# Altium PCB betrusted_dvt1b-dfm.PcbDoc (part 2 of 6) (continued)
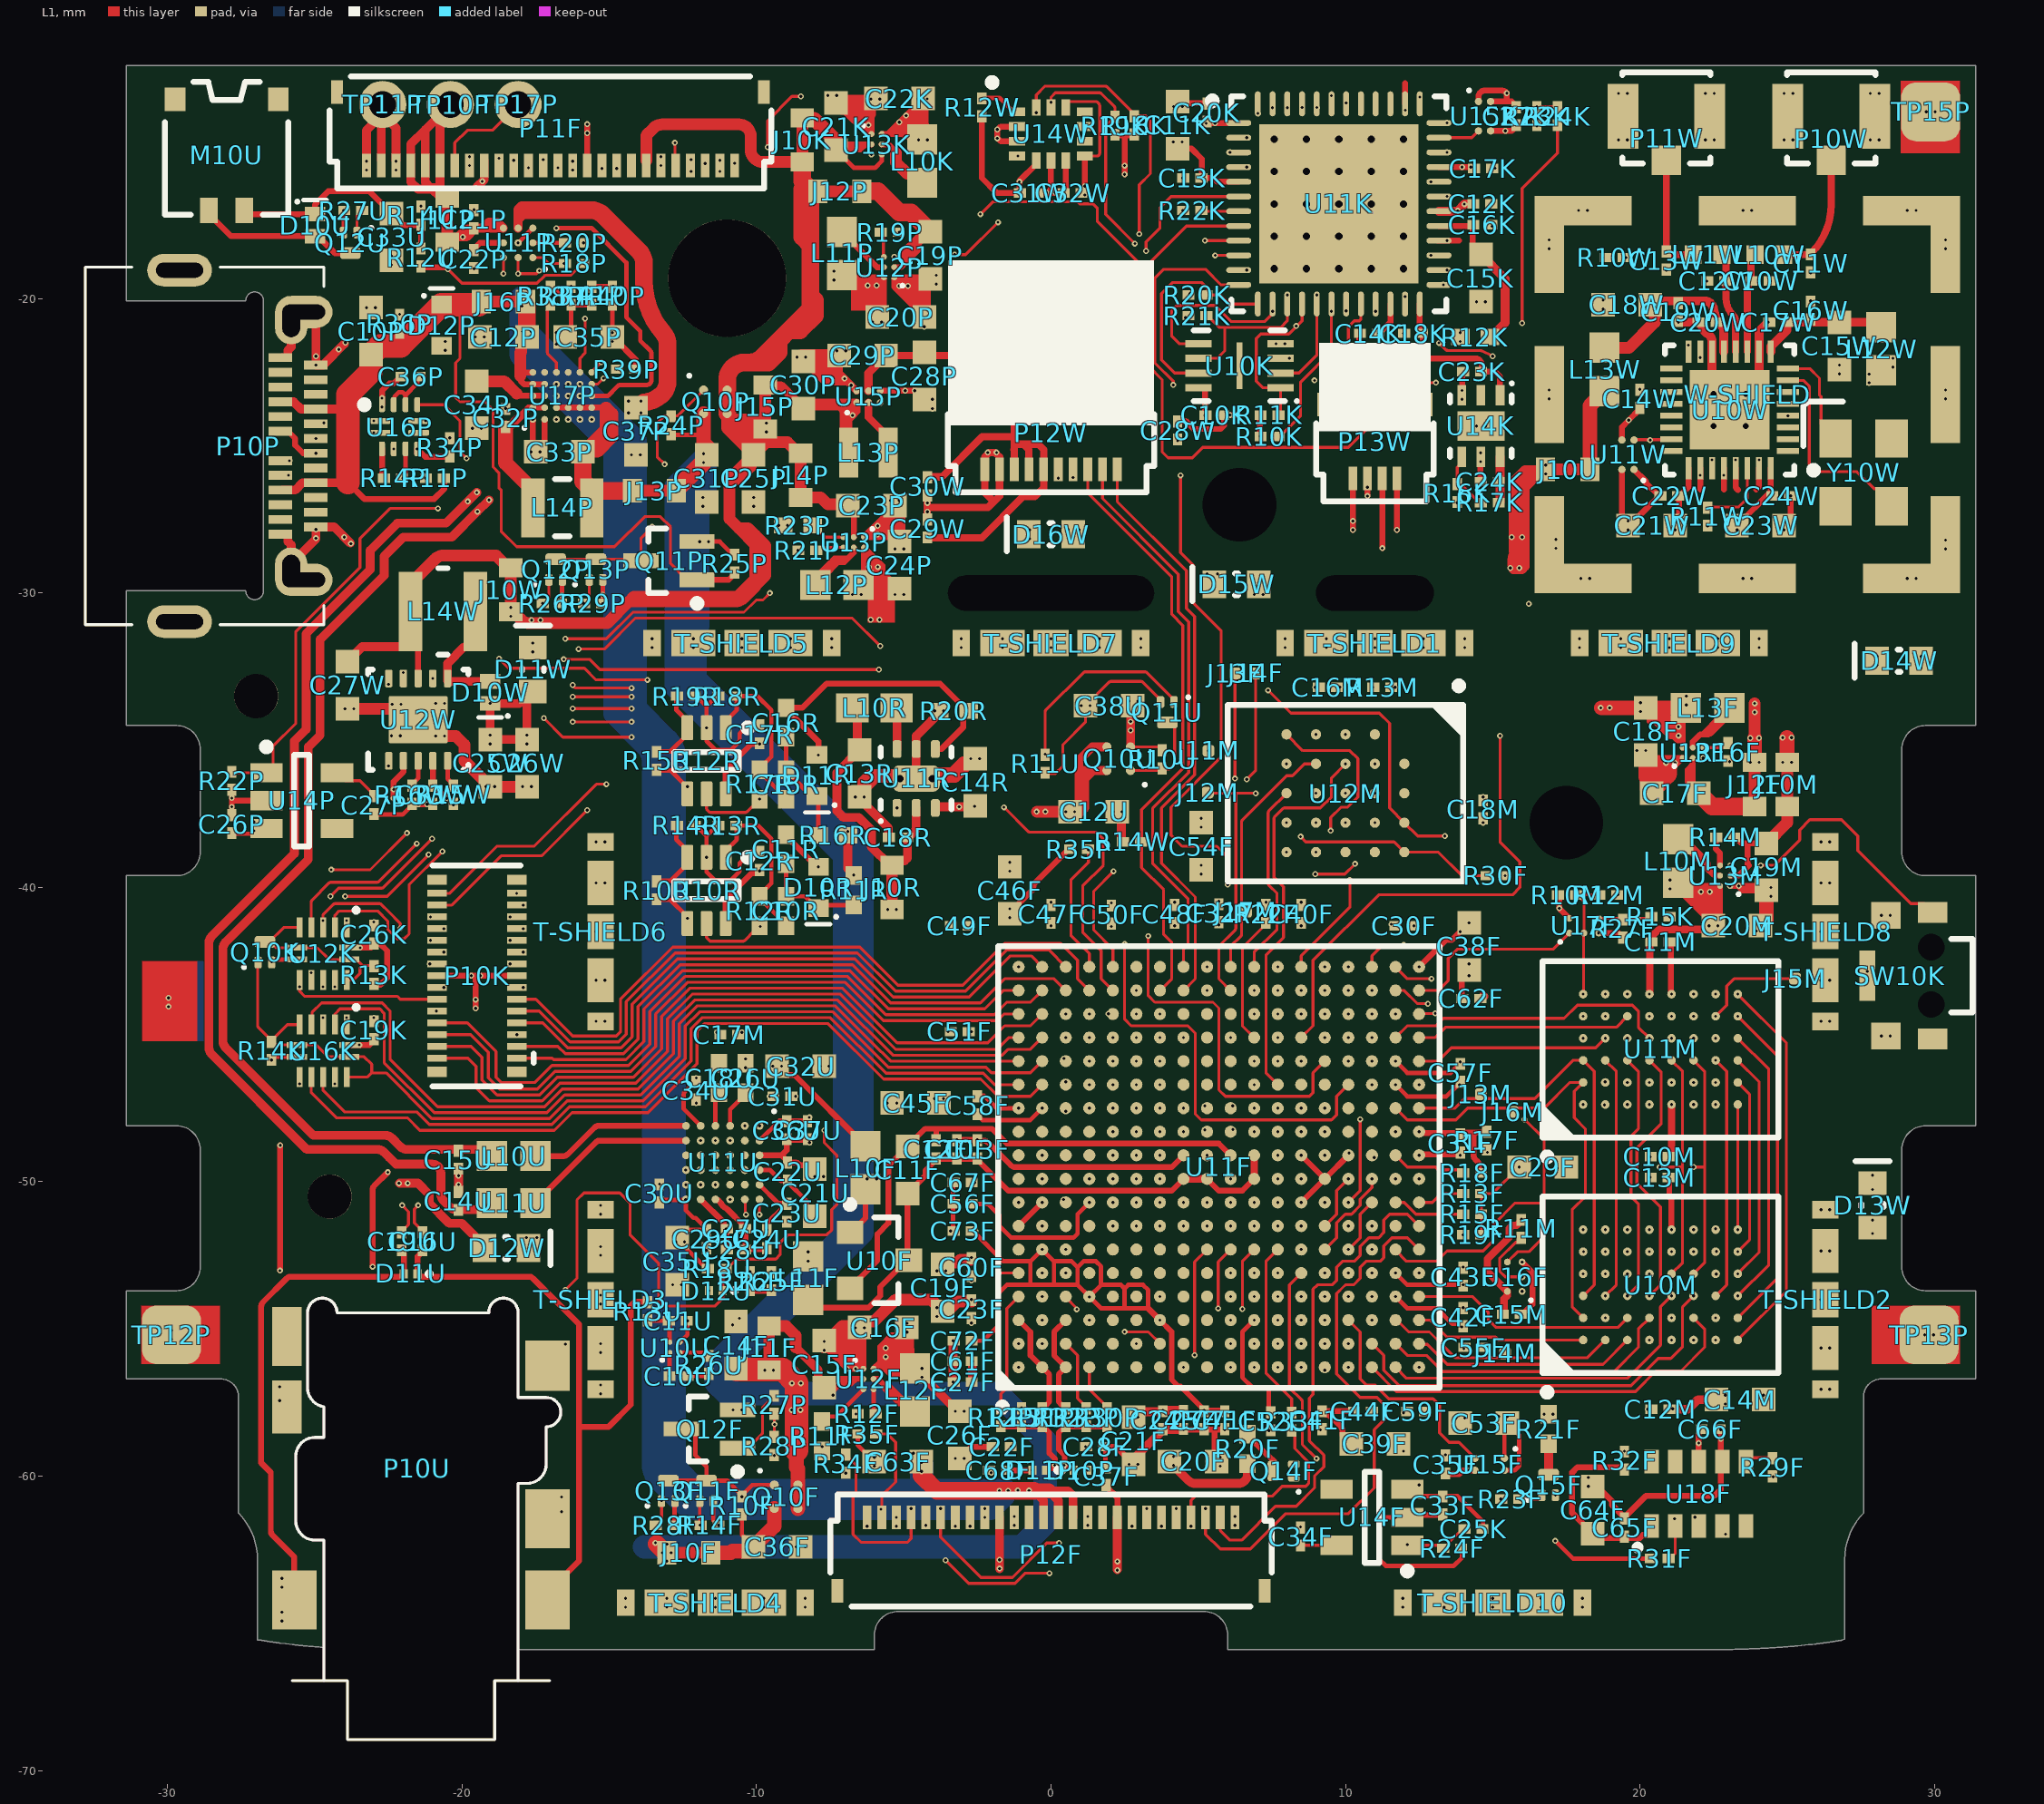
[diagram p0: L1 view]
## Part data (continued)

## Free pads (board coordinates)
  round 1.5 hole 1.5 unplated mask+0.4: 0(-27,-33.5) 0(-24.5,-50.5)
  round 4 hole 4 unplated mask+0.3: 0(-11,-19.3)
  oval 3.3x1 hole 1.2 slot 7 at 0 deg unplated mask+0.07: 0(0,-30)
  round 2 hole 2.5 unplated mask+0.3: 0(6.4,-27) 0(17.5,-37.8)
  oval 3.3x1 hole 1.2 slot 4 at 0 deg unplated mask+0.07: 0(11,-30)
  rect 2.489x0.051 on Bottom Overlay: 1(-16.861,-25.986) 1(-16.861,-25.935) 1(-16.861,-26.037) 1(-14.575,-23.649)
  rect 2.54x0.051 on Bottom Overlay: 1(-16.836,-26.291) 1(-16.836,-26.189) 1(-16.836,-26.139) 1(-16.836,-26.088) 1(-16.836,-25.885) 1(-16.836,-25.783) 1(-16.836,-25.732) 1(-16.836,-26.24) 1(-16.836,-25.834) 1(-16.836,-25.681) 1(-16.734,-25.478) 1(-12.416,-25.478) 1(-12.314,-26.24) 1(-12.314,-26.189) 1(-12.314,-26.139) 1(-12.314,-26.088) 1(-12.314,-26.037) 1(-12.314,-25.986) 1(-12.314,-25.935) 1(-12.314,-25.885) 1(-12.314,-25.834) 1(-12.314,-25.783) 1(-12.314,-25.732) 1(-12.314,-25.681)
  rect 2.591x0.051 on Bottom Overlay: 1(-16.81,-26.393) 1(-16.81,-26.342) 1(-16.81,-25.631) 1(-16.81,-25.58) 1(-16.81,-25.529) 1(-16.759,-26.443) 1(-12.391,-26.443) 1(-12.34,-26.342) 1(-12.34,-26.291) 1(-12.34,-25.58) 1(-12.34,-26.393) 1(-12.34,-25.631)
  rect 0.102x0.051 on Bottom Overlay: 1(-16.734,-23.192) 1(-15.667,-28.425) 1(-13.483,-28.425) 1(-12.416,-23.192)
  rect 0.254x0.051 on Bottom Overlay: 1(-16.709,-28.679) 1(-16.709,-23.243) 1(-15.693,-28.374) 1(-13.457,-28.374) 1(-12.441,-28.679) 1(-12.441,-23.243)
  rect 0.356x0.051 on Bottom Overlay: 1(-16.709,-28.628) 1(-16.709,-23.294) 1(-15.743,-28.323) 1(-13.407,-28.323) 1(-12.441,-23.294)
  rect 0.152x0.051 on Bottom Overlay: 1(-16.709,-28.729) 1(-12.441,-28.729)
  rect 0.457x0.051 on Bottom Overlay: 1(-16.709,-23.345)
  rect 0.508x0.051 on Bottom Overlay: 1(-16.683,-28.577) 1(-12.467,-28.577) 1(-12.467,-23.345)
  rect 0.61x0.051 on Bottom Overlay: 1(-16.683,-28.526) 1(-16.683,-23.395) 1(-12.467,-23.395)
  rect 0.711x0.051 on Bottom Overlay: 1(-16.683,-23.446)
  rect 0.864x0.051 on Bottom Overlay: 1(-16.658,-28.425) 1(-16.658,-23.497) 1(-14.575,-22.43) 1(-12.492,-28.425) 1(-12.492,-23.497)
  rect 0.965x0.051 on Bottom Overlay: 1(-16.658,-23.548) 1(-14.575,-22.583) 1(-14.575,-22.532) 1(-14.575,-22.481) 1(-12.492,-23.548)
  rect 0.762x0.051 on Bottom Overlay: 1(-16.658,-28.475) 1(-12.492,-28.475) 1(-12.492,-23.446)
  rect 1.016x0.051 on Bottom Overlay: 1(-16.632,-28.374) 1(-14.6,-22.633) 1(-12.518,-28.374)
  rect 2.337x0.051 on Bottom Overlay: 1(-16.632,-26.494) 1(-15.87,-24.97) 1(-12.518,-26.494)
  rect 1.219x0.051 on Bottom Overlay: 1(-16.632,-23.649) 1(-14.6,-23.192) 1(-12.518,-23.649)
  rect 1.118x0.051 on Bottom Overlay: 1(-16.632,-23.599) 1(-16.632,-28.323) 1(-14.6,-22.938) 1(-12.518,-28.323) 1(-12.518,-23.599)
  rect 2.286x0.051 on Bottom Overlay: 1(-16.607,-25.427) 1(-13.305,-24.97) 1(-12.594,-25.427)
  rect 2.134x0.051 on Bottom Overlay: 1(-16.48,-26.545) 1(-15.972,-25.021) 1(-13.178,-25.021) 1(-12.67,-26.545)
  rect 1.829x0.051 on Bottom Overlay: 1(-16.429,-28.171) 1(-16.328,-27.917) 1(-16.277,-27.815) 1(-16.277,-26.647) 1(-16.277,-25.326) 1(-16.226,-26.697) 1(-16.226,-25.275) 1(-16.023,-27.256) 1(-16.023,-27.205) 1(-13.127,-27.256) 1(-13.127,-27.205) 1(-12.975,-25.224) 1(-12.924,-27.764) 1(-12.924,-26.697) 1(-12.924,-26.647) 1(-12.924,-25.275) 1(-12.873,-27.866) 1(-12.873,-27.815) 1(-12.873,-25.326) 1(-12.822,-27.917) 1(-12.721,-28.171)
  rect 1.93x0.051 on Bottom Overlay: 1(-16.429,-28.12) 1(-16.124,-26.799) 1(-16.124,-25.123) 1(-16.023,-27.104) 1(-16.023,-27.053) 1(-13.127,-27.104) 1(-13.127,-27.053) 1(-13.026,-26.799) 1(-13.026,-25.123) 1(-12.975,-26.748) 1(-12.721,-28.12)
  rect 2.032x0.051 on Bottom Overlay: 1(-16.429,-25.377) 1(-16.074,-26.901) 1(-16.023,-27.002) 1(-16.023,-26.951) 1(-13.127,-27.002) 1(-13.127,-26.951) 1(-13.127,-26.901) 1(-12.721,-25.377)
  rect 1.676x0.051 on Bottom Overlay: 1(-16.404,-28.272) 1(-16.048,-27.409)
  rect 1.778x0.051 on Bottom Overlay: 1(-16.404,-28.221) 1(-16.251,-27.764) 1(-16.201,-27.713) 1(-16.201,-27.663) 1(-16.15,-27.612) 1(-16.099,-27.51) 1(-13.051,-27.51) 1(-13,-27.612) 1(-12.949,-27.713) 1(-12.949,-27.663) 1(-12.746,-28.221)
  rect 1.88x0.051 on Bottom Overlay: 1(-16.404,-28.069) 1(-16.404,-28.018) 1(-16.353,-27.967) 1(-16.302,-27.866) 1(-16.302,-26.596) 1(-16.201,-26.748) 1(-16.201,-25.224) 1(-16.15,-25.173) 1(-16.048,-27.155) 1(-13.153,-27.155) 1(-13,-25.173) 1(-12.848,-26.596) 1(-12.797,-28.018) 1(-12.797,-27.967) 1(-12.746,-28.069)
  rect 1.727x0.051 on Bottom Overlay: 1(-16.124,-27.561) 1(-16.074,-27.459) 1(-16.023,-27.358) 1(-16.023,-27.307) 1(-14.6,-23.497) 1(-13.127,-27.409) 1(-13.127,-27.358) 1(-13.127,-27.307) 1(-13.076,-27.459) 1(-13.026,-27.561) 1(-12.772,-28.272)
  rect 1.981x0.051 on Bottom Overlay: 1(-16.099,-26.85) 1(-16.048,-25.072) 1(-14.575,-23.548) 1(-13.102,-25.072) 1(-13.051,-26.85)
  rect 4.674x0.051 on Bottom Overlay: 1(-14.6,-24.513)
  rect 5.08x0.051 on Bottom Overlay: 1(-14.6,-24.208)
  rect 4.877x0.051 on Bottom Overlay: 1(-14.6,-24.361)
  rect 4.826x0.051 on Bottom Overlay: 1(-14.575,-24.919) 1(-14.575,-24.869) 1(-14.575,-24.411)
  rect 4.724x0.051 on Bottom Overlay: 1(-14.575,-24.818) 1(-14.575,-24.462) 1(-14.575,-24.767)
  rect 4.623x0.051 on Bottom Overlay: 1(-14.575,-24.665) 1(-14.575,-24.615) 1(-14.575,-24.564) 1(-14.575,-24.716)
  rect 5.029x0.051 on Bottom Overlay: 1(-14.575,-24.259)
  rect 5.131x0.051 on Bottom Overlay: 1(-14.575,-24.157)
  rect 5.232x0.051 on Bottom Overlay: 1(-14.575,-24.107)
  rect 5.334x0.051 on Bottom Overlay: 1(-14.575,-24.056) 1(-14.575,-24.005)
  rect 5.537x0.051 on Bottom Overlay: 1(-14.575,-23.903) 1(-14.575,-23.853) 1(-14.575,-23.751)
  rect 5.639x0.051 on Bottom Overlay: 1(-14.575,-23.802)
  rect 5.436x0.051 on Bottom Overlay: 1(-14.575,-23.7) 1(-14.575,-23.954)
  rect 1.473x0.051 on Bottom Overlay: 1(-14.575,-23.446)
  rect 1.27x0.051 on Bottom Overlay: 1(-14.575,-23.395) 1(-14.575,-23.345) 1(-14.575,-23.294) 1(-14.575,-23.243)
  rect 1.168x0.051 on Bottom Overlay: 1(-14.575,-23.141) 1(-14.575,-23.091) 1(-14.575,-23.04) 1(-14.575,-22.989)
  rect 1.067x0.051 on Bottom Overlay: 1(-14.575,-22.786) 1(-14.575,-22.735) 1(-14.575,-22.684) 1(-14.575,-22.887) 1(-14.575,-22.837)
  rect 4.928x0.051 on Bottom Overlay: 1(-14.575,-24.31)
  rect 2.184x0.051 on Bottom Overlay: 1(-14.575,-23.599)
  rect 0.66x0.051 on Bottom Overlay: 1(-12.492,-28.526)
  rect 0.406x0.051 on Bottom Overlay: 1(-12.467,-28.628)
  rect 2.642x0.051 on Bottom Overlay: 1(-12.365,-25.529)

## Via types
v1: diameter 0.2, hole 0.1, L1 to L2, tented both sides, 1324 vias
v2: diameter 0.5, hole 0.25, L2 to L7, tented both sides, 638 vias
v3: diameter 0.2, hole 0.1, L7 to L8, tented both sides, 44 vias
v4: diameter 0.5, hole 0.25, L1 to L8, 25 vias
v5: diameter 0.5, hole 0.2, L1 to L8, 4 vias
v6: diameter 0.4, hole 0.25, L1 to L8, 2 vias
v7: diameter 0.2, hole 0.1, L1 to L2, tented bottom, 1 vias

## Nets (pads, with @x,y where several pads share a name; then routed paths per layer and width w, separated by ;. In a path a pad name is that pad's centre, name@x,y a point inside that pad or via, vN(x,y) a via of type N, cw(c..) or ccw(c..) an arc to the next point about the centre after c; other vN are vias at no path point)
12MHZ_CLK: U11F.R3 U15F.2 | length 7.7
  L1 w0.1: U11F.R3@10.1,-54.7 10.5,-55.1 10.5,-56.7 10.7,-56.9 10.998,-56.9 11.473,-57.375 12.975,-57.375 13.2,-57.6 13.2,-58.535 13.515,-58.85 13.855,-58.85 U15F.2@14.4,-59.395
12MHZ_CLK_U: U11K.35 U15K.2 | length 1.4
  L1 w0.1: U11K.35@13.176,-14.527 14.289,-14.527 U15K.2@14.52,-14.297
ALLOW_UP5K: Q10K.3 R13K.1 U12K.5 U12K.6 U12K.12 U12K.13 | length 6.1
  L1 w0.1: Q10K.3@-26.7,-41.85 Q10K.3@-26.55,-41.85 ; U12K.5@-25.525,-41.36 -26.06,-41.36 Q10K.3@-26.55,-41.85 ; U12K.12@-23.925,-43.14 -23.69,-43.14 -23.475,-42.925 -23.475,-42.73 -23.395,-42.65 ; R13K.1@-23,-42.65 -23.395,-42.65 ; Q10K.3@-26.55,-41.85 -26.523,-41.85 -26.323,-42.05 U12K.6@-25.615,-42.05 -24.925,-42.05 -24.525,-42.45 U12K.13@-23.835,-42.45 -23.595,-42.45 -23.395,-42.65
ALLOW_UP5K_N: Q10K.1 R14K.2 U11F.B14 U16K.5 U16K.6 U16K.12 U16K.13 | length 35.6
  L1 w0.1: Q10K.1@-26.93,-42.55 -26.932,-42.553 ccw(c-26.85,-42.61) -26.95,-42.61 -26.95,-44.684 ccw(c-26.85,-44.684) -26.921,-44.754 R14K.2@-26.475,-45.2 ; U16K.5@-25.525,-44.66 -25.935,-44.66 R14K.2@-26.475,-45.2 ; U16K.12@-23.925,-46.44 -23.215,-46.44 -23.075,-46.3 ; U11F.B14@-0.3,-45.9 -0.696,-46.296 -2.021,-46.296 -2.204,-46.113 -5.52,-46.113 -6.108,-45.525 -7.408,-44.225 -11.939,-44.225 -12.425,-44.711 -12.425,-45.818 -13.857,-47.25 -16.436,-47.25 -17.036,-47.85 -21.033,-47.85 -22.583,-46.3 -23.075,-46.3 ; R14K.2@-26.475,-45.2 -26.475,-45.225 -26.475,-45.24 -26.365,-45.35 U16K.6@-25.615,-45.35 -24.95,-45.35 -24.55,-45.75 U16K.13@-23.835,-45.75 -23.334,-45.75 -23.075,-46.009 -23.075,-46.3
ANA_VN: J14F.1 U11F.K9 | length 18.5
  L1 w0.1: v1(6.649,-36.326) 6.95,-36.025 J14F.1@6.95,-32.725
  L2 w0.1: v1(6.1,-49.9) 6.1,-48.8 5.9,-48.6 5.9,-46.675 5.347,-46.122 5.347,-44.397 4.875,-43.925 4.875,-41.883 5.175,-41.583 5.175,-40.233 6.025,-39.383 6.025,-36.95 v1(6.649,-36.326)
ANA_VP: J13F.1 U11F.J10 | length 17.6
  L1 w0.1: v1(6.249,-36.301) J13F.1@6.25,-32.725
  L2 w0.1: v1(5.3,-49.1) 5.676,-48.724 5.676,-46.801 5.1,-46.225 5.1,-44.5 4.675,-44.075 4.675,-41.8 4.975,-41.5 4.975,-40.15 5.825,-39.3 5.825,-36.725 v1(6.249,-36.301)
AU_CLK1: U11F.D12 U11U.F5 | length 15.8
  L2 w0.1: v1@-12.4,-50.1 -12.3,-50.1 -11.525,-50.875 -10.675,-50.875 -10.45,-50.65 -9.2,-50.65 -9.025,-50.475 -7.4,-50.475 -6.65,-49.725 -6.65,-49.466 cw(c-6.55,-49.466) -6.621,-49.396 -5.659,-48.433 cw(c-5.588,-48.505) -5.589,-48.405 ; -5.588,-48.405 -5.052,-48.405 -4.623,-47.975 -0.075,-47.975 0.25,-47.65 0.25,-47.499 0.399,-47.35 0.775,-47.35 0.925,-47.5 v1(1.3,-47.5)
  other v1: -12.4,-50.1
AU_HPVSS: C26U.2 U11U.C1 | length 1.5
  L1 w0.15: U11U.C1@-10.9,-48.1 -10.9,-47.54 -10.375,-47.015 C26U.2@-10.375,-46.975 C26U.2@-10.5,-47.1
AU_MCLK: U11F.E12 U11U.C6 | length 15
  L2 w0.1: v1(-10.9,-50.6) -10.55,-50.25 -7.5,-50.25 -6.85,-49.6 -6.85,-49.191 cw(c-6.75,-49.191) -6.821,-49.121 -5.723,-48.023 cw(c-5.653,-48.094) -5.654,-47.994 ; -5.653,-47.994 -5.094,-47.994 -4.725,-47.625 -1.541,-47.625 cw(c-1.541,-47.725) -1.47,-47.655 -1.404,-47.721 ccw(c-1.334,-47.65) -1.334,-47.75 -0.196,-47.75 -0.05,-47.604 -0.05,-47.516 0.316,-47.15 1.425,-47.15 1.775,-47.5 v1(2.1,-47.5)
AU_SDI1: U11F.E13 U11U.E5 | length 16.6
  L2 w0.1: v1(-11.9,-50.1) -11.55,-50.45 -11.225,-50.45 -11,-50.225 -10.825,-50.225 -10.65,-50.05 -8.766,-50.05 ccw(c-8.766,-49.95) -8.695,-50.02 -8.105,-49.43 cw(c-8.034,-49.5) -8.034,-49.4 ; -8.034,-49.4 -7.45,-49.4 -7.075,-49.025 -7.075,-48.229 -6.25,-47.404 -6.25,-46.975 -5.975,-46.7 -0.05,-46.7 0.15,-46.9 0.763,-46.9 0.813,-46.95 1.85,-46.95 v1(2.1,-46.7)
AU_SDO1: U11F.C13 U11U.D5 | length 14.2
  L2 w0.1: v1(-11.4,-50.1) -11.25,-49.95 -11.088,-49.95 ccw(c-11.088,-49.85) -11.084,-49.95 -11.066,-49.949 cw(c-11.061,-50.049) -11.06,-49.949 -10.89,-49.949 ccw(c-10.89,-49.849) -10.82,-49.92 -10.725,-49.825 -8.824,-49.825 ccw(c-8.824,-49.725) -8.754,-49.796 -8.246,-49.288 cw(c-8.034,-49.5) -8.2,-49.25 -8.132,-49.205 ccw(c-8.187,-49.122) -8.123,-49.198 cw(c-8.059,-49.275) -8.059,-49.175 -7.525,-49.175 -7.325,-48.975 -7.325,-48.125 -6.5,-47.3 -6.5,-46.871 -6.129,-46.5 0.033,-46.5 0.133,-46.6 v1(0.5,-46.6)
AU_SYNC1: U11F.D14 U11U.D4 | length 14.8
  L2 w0.1: v1(-11.4,-49.6) -10.925,-49.125 -9.525,-49.125 -9.147,-48.747 -9.147,-48.147 -8.379,-47.379 cw(c-8.309,-47.45) -8.309,-47.35 -6.925,-47.35 -6.725,-47.15 -6.725,-46.8 -6.2,-46.275 0.359,-46.275 0.734,-45.9 v1(1.3,-45.9)
AUDIO_ON: R26U.2 U10U.B1 U11F.B7 | length 14.1
  L1 w0.1: R26U.2@-11.725,-55.8 R26U.2@-11.625,-55.9
  L1 w0.15: U10U.B1@-12.6,-55.8 R26U.2@-11.725,-55.8
  L2 w0.1: v1(-11.6,-55.825) -8.75,-55.825 -5.05,-52.125 -0.925,-52.125 v1(-0.3,-51.5)
BL_MAINFB: P13W.3 P13W.4 U12W.1 | length 42.5
  L1 w0.2: v1(11.25,-28.474) P13W.3@11.25,-26.1 ; v1(11.75,-27.85) P13W.4@11.75,-26.1
  L7 w0.3: v2@-22.496,-35.7 -16.024,-35.7 ccw(c-16.024,-35.4) -15.812,-35.612 -13.238,-33.038 cw(c-13.026,-33.25) -13.026,-32.95 0.475,-32.95 0.825,-32.6 3.176,-32.6 ccw(c3.176,-32.3) 3.388,-32.512 5.012,-30.888 ccw(c4.8,-30.676) 5.1,-30.676 5.1,-29.775 5.4,-29.475 8.1,-29.475 8.955,-28.62 11.25,-28.62 11.288,-28.582 11.288,-28.162 v2(11.75,-27.7)
  other v1: -22.5,-35.872
  other v2: -22.5,-35.722 11.25,-28.624
BL_SET: R16W.1 U12W.3 | length 0.9
  L1 w0.15: R16W.1@-21.7,-36.525 -21.7,-36.5 -21.496,-36.296 U12W.3@-21.496,-35.7
BL_SUBFB: D16W.2 U12W.2 | length 33.7
  L1 w0.2: v1@-22.325,-36.975 -22.325,-36.4 -21.996,-36.071 U12W.2@-21.996,-35.7 ; D16W.2@-0.725,-28.147 D16W.2@-0.725,-27.853
  L7 w0.3: v2@-22.333,-36.813 -23.2,-35.946 -23.2,-34.925 -22.575,-34.3 -17.875,-34.3 -15.95,-32.375 -15.95,-30.024 cw(c-15.65,-30.024) -15.862,-29.812 -15.413,-29.363 cw(c-15.201,-29.575) -15.201,-29.275 -7.625,-29.275 -6.837,-28.487 -6.837,-26.838 -6.05,-26.05 -2.025,-26.05 -0.725,-27.35 v2(-0.725,-27.99)
  other v1: -22.325,-36.97 -22.325,-36.67 -0.725,-28.15 -0.725,-27.85
  other v2: -22.325,-36.82
BL_SW: D10W.1 L14W.2 U12W.6 | length 4.3
  L1 w0.3: L14W.2@-19.55,-30.625 -19.55,-31.575 -19.8,-31.825 -19.931,-31.825 -20.496,-32.39 U12W.6@-20.496,-32.9 -20.496,-32.975 -20.471,-33 D10W.1@-19.05,-33
CC_ID: R35P.1 U11F.D18 U16P.9 | length 39
  L1 w0.1: U16P.9@-21.525,-23.6 -20.625,-23.6 -20.075,-24.15 -20.075,-25.2 v1(-19.85,-25.425) ; v1(-16.55,-32.25) -15.675,-32.25 -15.325,-32.6 v1@-5.875,-32.6 ; R35P.1@1.275,-38.7 1.275,-39.15 0.675,-39.75 0.675,-41.625 1.3,-42.25 U11F.D18@1.3,-42.7
  L2 w0.1: v1(-19.85,-25.425) -20.25,-25.825 -20.25,-30.725 -19.475,-31.5 -18.75,-31.5 -17.75,-32.5 -16.8,-32.5 v1(-16.55,-32.25) ; v1(-5.85,-32.6) -4.925,-33.525 -3.475,-33.525 -0.5,-36.5 0.7,-36.5 1.275,-37.075 v1(1.275,-38.725)
CC_INT_N: R34P.1 U11K.42 U16P.6 | length 40.2
  L1 w0.2: v2(-21.53,-25.105) U16P.6@-21.525,-25.1 ; U16P.6@-21.52,-25.095 U16P.6@-21.525,-25.1 ; R34P.1@-20.425,-25.375 -21.25,-25.375 -21.375,-25.25 -21.525,-25.25 U16P.6@-21.525,-25.1
  L2 w0.1: v2(-4.025,-16.15) -3.5,-16.15 -2.75,-15.4 1.467,-15.4 2.467,-14.4 2.858,-14.4 3.383,-13.875 4.625,-13.875 5.227,-13.273 cw(c5.297,-13.344) 5.297,-13.244 9.178,-13.244 cw(c9.178,-13.344) 9.248,-13.273 9.325,-13.35 v1(10.025,-13.35)
  L7 w0.1: v2(-21.53,-25.105) -21.53,-24.78 -18.454,-21.704 cw(c-18.384,-21.775) -18.384,-21.675 -17.159,-21.675 -16.159,-20.675 -14.25,-20.675 -12.8,-22.125 -9.325,-22.125 -6.775,-19.575 -6.775,-17.8 -5.125,-16.15 v2(-4.025,-16.15)
  other v1: -21.53,-25.105
CDONE: R22K.2 U11K.7 | length 1.3
  L1 w0.1: R22K.2@5.125,-17 5.152,-17.027 U11K.7@6.376,-17.027
CHG2_PMID: C34P.1 U17P.A3 U17P.B3 | length 2.5
  L1 w0.2: -18.15,-23.225 -18.075,-23.3 U17P.A3@-17.6,-23.3 U17P.B3@-17.2,-23.3
  L1 w0.4: C34P.1@-19.5,-22.8 -18.575,-22.8 -18.15,-23.225
CHG2_STAT: R37P.2 TP16P.1 U17P.E5 | length 3.2
  L1 w0.1: U17P.E5@-16,-22.5 -16,-22.025 -15.825,-21.85 v1(-15.825,-20.675)
  L2 w0.1: v1(-16.3,-19.575) -16.3,-20.2 v1(-15.825,-20.675)
  other v2: -16.3,-19.575
  other v3: -16.3,-19.575
CHG_CE: R39P.2 U17P.E3 | length 1.8
  L2 w0.1: v1(-16,-23.3) -15.416,-23.3 ccw(c-15.416,-23.2) -15.345,-23.27 -14.789,-22.714 ccw(c-14.859,-22.643) -14.759,-22.643 v1(-14.759,-22.392)
CHG_PSEL: R38P.2 U17P.C5 | length 2.4
  L1 w0.1: R38P.2@-17,-20.225 -17.077,-20.302 ccw(c-17.006,-20.373) -17.106,-20.373 -17.106,-21.822 ccw(c-17.006,-21.822) -17.077,-21.893 -16.8,-22.17 U17P.C5@-16.8,-22.5
CHG_REGN: C35P.2 R37P.1 R38P.1 R41P.2 U17P.C4 | length 4.6
  L1 w0.15: R38P.1@-17,-19.6 -16.915,-19.685 -16.902,-19.685 cw(c-16.902,-19.835) -16.796,-19.729 R37P.1@-16.3,-20.225 ; C35P.2@-16.5,-21.3 -16.3,-21.1 R37P.1@-16.3,-20.225 ; R41P.2@-15.6,-20.225 R37P.1@-16.3,-20.225
  L2 w0.3: v1(-16.8,-22.9) v1(-16.801,-21.149)
  other v1: -16.8,-21.542
CHG_TS: P11F.7 R40P.2 R41P.1 TP17P.1 U17P.D3 | length 19.2
  L1 w0.1: P11F.7@-20.25,-15.3 -20.25,-14.7 -19.825,-14.275 -18.975,-14.275 TP17P.1@-18.1,-13.4
  L1 w0.15: R41P.1@-15.6,-19.575 R40P.2@-14.9,-19.575
  L2 w0.1: v1(-16.4,-23.3) -16.075,-23.625 -15.35,-23.625 -14.5,-22.775 -14.5,-21.75 -14.3,-21.55 -14.3,-20.95 -14.875,-20.375 v1(-14.875,-19.575) -14.875,-17.65 v2(-14.2,-16.975)
  L7 w0.1: TP17P.1@-18.1,-13.4 -18.1,-15.225 -16.35,-16.975 v2(-14.2,-16.975)
COL0: U11F.B13 U16K.9 | length 29.2
  L1 w0.1: U16K.9@-25.125,-46.44 -25.125,-46.975 -24.275,-47.825 -21.862,-47.825 -21.437,-48.25 -16.87,-48.25 -16.27,-47.65 -13.691,-47.65 -12.025,-45.984 -12.025,-44.877 -11.773,-44.625 -7.574,-44.625 -5.686,-46.513 -2.387,-46.513 -1.829,-47.071 ccw(c-1.759,-47) -1.759,-47.1 -0.7,-47.1 U11F.B13@-0.3,-46.7
COL0_MUX: P10K.21 U12K.8 U16K.8 | length 8.5
  L1 w0.1: U12K.8@-25.525,-43.14 -25.525,-43.525 -25.35,-43.7 -22.2,-43.7 -22.1,-43.8 P10K.21@-20.855,-43.8
  L2 w0.1: v1(-25.525,-46.675) v1(-25.525,-43.375)
COL1: P10K.5 U11F.C18 | length 22.3
  L1 w0.1: P10K.5@-18.145,-44.2 -17.383,-44.2 -16.333,-45.25 -14.685,-45.25 -14.425,-44.99 -14.425,-43.883 -12.767,-42.225 -6.579,-42.225 -5.279,-43.525 -2.9,-43.525 -1.5,-42.125 -0.075,-42.125 U11F.C18@0.5,-42.7
COL2: P10K.10 U11F.E14 | length 21.8
  L2 w0.1: v1(-17.925,-42.2) -16.175,-43.95 -8.625,-43.95 -7.3,-45.275 -4.3,-45.275 -3.7,-45.875 -0.175,-45.875 0.15,-45.55 1.75,-45.55 v1(2.1,-45.9)
COL3: P10K.11 U11F.D15 | length 21.8
  L2 w0.1: v1(-18.375,-41.8) -17.95,-41.8 -16,-43.75 -8.542,-43.75 -7.217,-45.075 -4.217,-45.075 -3.696,-45.596 -0.746,-45.596 0.15,-44.7 0.9,-44.7 v1(1.3,-45.1)
COL4: P10K.4 U11F.B18 | length 21.4
  L1 w0.1: P10K.4@-18.145,-44.6 -17.266,-44.6 -16.416,-45.45 -14.602,-45.45 -14.225,-45.073 -14.225,-43.966 -12.684,-42.425 -6.662,-42.425 -5.362,-43.725 -4.575,-43.725 -2.775,-43.725 -1.375,-42.325 -0.675,-42.325 U11F.B18@-0.3,-42.7
COL5: P10K.13 U11F.D16 | length 22
  L2 w0.1: v1(-18.375,-41) -17.925,-41 -16.175,-42.75 -15,-42.75 -14.4,-43.35 -8.376,-43.35 -7.051,-44.675 -3.85,-44.675 -3.675,-44.5 -0.7,-44.5 0.1,-43.7 0.892,-43.7 1.125,-43.933 1.125,-44.125 v1(1.3,-44.3)
COL6: P10K.6 U11F.D17 | length 24
  L1 w0.1: P10K.6@-18.145,-43.8 -17.5,-43.8 -16.25,-45.05 -14.768,-45.05 -14.625,-44.907 -14.625,-43.8 -12.85,-42.025 -6.497,-42.025 -5.197,-43.325 -3,-43.325 -1.575,-41.9 0.325,-41.9 0.9,-42.475 0.9,-43.1 U11F.D17@1.3,-43.5
COL7: P10K.12 U11F.F13 | length 24.6
  L2 w0.1: v1(-17.925,-41.4) -15.775,-43.55 -8.459,-43.55 -7.134,-44.875 -4.4,-44.875 -4.134,-44.875 -3.642,-45.367 -1.267,-45.367 0.2,-43.9 0.7,-43.9 0.9,-44.1 0.9,-44.4 1.325,-44.825 1.4,-44.825 2.45,-45.875 2.45,-46.25 v1(2.9,-46.7)
COL8: P10K.14 U11F.E15 | length 23
  L2 w0.1: v1(-17.925,-40.6) -15.975,-42.55 -14.9,-42.55 -14.3,-43.15 -8.294,-43.15 -6.969,-44.475 -3.975,-44.475 -3.775,-44.275 -0.767,-44.275 0.033,-43.475 0.95,-43.475 1.533,-44.058 cw(c1.463,-44.129) 1.563,-44.129 1.563,-44.521 ccw(c1.663,-44.521) 1.592,-44.592 v1(2.1,-45.1)
COL9: U11F.A13 U16K.10 | length 27.7
  L1 w0.1: U16K.10@-24.725,-46.44 -24.725,-46.9 -24,-47.625 -21.541,-47.625 -21.116,-48.05 -16.953,-48.05 -16.353,-47.45 -13.774,-47.45 -12.225,-45.901 -12.225,-44.794 -11.856,-44.425 -7.491,-44.425 -5.603,-46.313 -2.304,-46.313 -1.917,-46.7 U11F.A13@-1.1,-46.7
COL9_MUX: P10K.15 U12K.11 U16K.11 | length 13.9
  L2 w0.1: v1(-24.325,-46.675) ccw(c-24.412,-46.626) -24.312,-46.625 -24.312,-45.104 cw(c-24.212,-45.104) -24.283,-45.033 -24.241,-44.991 ccw(c-24.312,-44.921) -24.212,-44.921 -24.212,-43.556 ccw(c-24.312,-43.556) -24.241,-43.486 -24.325,-43.402 v1(-24.325,-43.375) -24.254,-43.304 -24.186,-43.236 -24.186,-43.14 -24.186,-40.953 cw(c-24.086,-40.953) -24.157,-40.882 -23.95,-40.675 -22.439,-40.675 -21.825,-41.289 -21.825,-41.625 -21.35,-42.1 -20.95,-42.1 -20.75,-41.9 -19.725,-41.9 -18.975,-41.15 -18.975,-40.625 -18.55,-40.2 v1(-18.15,-40.2)
COM_CS: U11F.T15 U11K.11 | length 34
  L2 w0.1: v1(6.65,-19.025) 6.65,-22.043 7.353,-22.746 ccw(c7.424,-22.675) 7.424,-22.775 10.545,-22.775 cw(c10.545,-22.875) 10.617,-22.805 10.727,-22.915 10.727,-24.102 13.331,-26.706 13.331,-27.382 ccw(c13.431,-27.382) 13.36,-27.453 15.575,-29.667 15.575,-33.321 cw(c15.475,-33.321) 15.546,-33.392 12.522,-36.415 ccw(c12.593,-36.486) 12.493,-36.486 12.493,-38.813 cw(c12.393,-38.813) 12.463,-38.884 10.729,-40.618 ccw(c10.8,-40.688) 10.7,-40.688 10.7,-41.859 ccw(c10.8,-41.859) 10.729,-41.929 11.27,-42.47 cw(c11.2,-42.541) 11.3,-42.541 11.3,-44.7 v1(10.9,-45.1)
  other v1: 8.95,-22.775
COM_IRQ: U11F.M16 U11K.6 | length 40.8
  L1 w0.1: v1(3.225,-18.375) 3.225,-18.064 3.7,-17.589 3.7,-16.9 4.073,-16.527 U11K.6@6.376,-16.527 ; v1(8.975,-39.55) 9.975,-39.55 v1(10.325,-39.2)
  L2 w0.1: v1(3.225,-18.375) 4.25,-18.375 4.675,-18.8 5.445,-19.57 cw(c5.375,-19.641) 5.475,-19.641 ; 5.475,-19.641 5.475,-22.247 7.103,-23.875 9.012,-23.875 cw(c9.012,-23.975) 9.083,-23.905 12.195,-27.017 cw(c12.125,-27.088) 12.225,-27.087 12.225,-27.696 14.6,-30.071 14.6,-32.804 11.45,-35.954 11.45,-38.075 v1(10.325,-39.2) ; v1(7.7,-44.3) 7.3,-43.9 7.3,-42.5 8.1,-41.7 8.1,-40.2 8.75,-39.55 v1(8.975,-39.55)
COM_MISO: U11F.P16 U11K.10 | length 34
  L1 w0.1: v1(5.575,-18.525) 5.576,-18.526 6.374,-18.526 U11K.10@6.376,-18.527
  L2 w0.1: v1(5.575,-18.525) 6.1,-19.05 6.1,-22.2 7.3,-23.4 9.209,-23.4 cw(c9.209,-23.5) 9.28,-23.43 12.67,-26.82 cw(c12.6,-26.891) 12.7,-26.891 12.7,-27.499 15.075,-29.874 15.075,-33.001 11.925,-36.151 11.925,-38.493 10.2,-40.218 10.2,-41.9 9.7,-42.4 9.7,-43.666 9.3,-44.066 v1(9.3,-44.3)
COM_MOSI: U11F.N18 U11K.9 | length 33.6
  L1 w0.1: v1(5.225,-18.025) 5.226,-18.026 U11K.9@6.376,-18.027 U11K.9@6.376,-18.027 ; U11F.N18@8.5,-42.7 8.5,-42.325 10.15,-40.675 v1(10.15,-39.75)
  L2 w0.1: v1(5.225,-18.025) 5.225,-18.951 5.75,-19.476 5.75,-22.204 7.196,-23.65 9.105,-23.65 cw(c9.105,-23.75) 9.176,-23.68 12.42,-26.924 cw(c12.35,-26.995) 12.45,-26.995 12.45,-27.603 14.825,-29.978 14.825,-32.897 11.675,-36.047 11.675,-38.225 v1(10.15,-39.75)
COM_SCLK: U11F.R16 U11K.20 | length 28.7
  L1 w0.1: v1(10.321,-23.1) 10.321,-22.371 10.1,-22.15 10.1,-20.95 10.3,-20.75 10.467,-20.75 10.526,-20.691 U11K.20@10.526,-20.177
  L2 w0.1: v1(10.1,-44.3) 10.5,-43.9 10.5,-40.342 12.225,-38.617 12.225,-36.275 15.294,-33.206 ccw(c15.224,-33.135) 15.324,-33.135 15.324,-29.74 ccw(c15.224,-29.74) 15.294,-29.669 13,-27.375 13,-26.816 ccw(c12.9,-26.816) 12.97,-26.745 10.35,-24.125 cw(c10.421,-24.055) 10.321,-24.055 v1(10.321,-23.1)
CP+: C18U.2 U11U.D2 | length 2.5
  L2 w0.15: v1(-11.4,-48.6) -11.4,-46.325 v1(-11.25,-46.175)
CP-: C18U.1 U11U.D1 | length 1.2
  L1 w0.15: U11U.D1@-11.4,-48.1 -11.4,-47.1 C18U.1@-11.275,-46.975
CRESET_B: P12F.4 R22P.1 R33F.1 U11K.8 U14P.1 | length 152.4
  L1 w0.1: R22P.1@-27.825,-36.05 -27.775,-36.1 -26.7,-36.1 -26.425,-35.825 -26.425,-35.2 -25.65,-34.425 -25.65,-31.304 -23.475,-29.129 -23.475,-28.15 -22.45,-27.125 v1(-20.825,-27.125) ; v1(-18.75,-32.225) -18.425,-32.55 -15.85,-32.55 -15.454,-32.946 v1(-13.711,-32.946) ; v1(-2.4,-17.125) -1.985,-16.71 0.91,-16.71 0.975,-16.775 1.425,-16.775 1.575,-16.925 1.575,-17.375 3.025,-18.825 3.3,-18.825 ; P12F.4@4.75,-61.4 4.75,-60.866 cw(c4.85,-60.866) 4.779,-60.796 4.871,-60.704 cw(c4.941,-60.775) 4.94,-60.675 ; 4.941,-60.675 7.525,-60.675 7.85,-60.35 8.65,-60.35 8.75,-60.25 8.75,-59.525 8.285,-59.06 8.285,-58.585 R33F.1@8.175,-58.475 ; U11K.8@6.376,-17.527 4.598,-17.527 3.3,-18.825 ; v1(13.075,-22.85) 12.3,-22.85 10.1,-25.05 5.15,-25.05 4.8,-25.4 3.975,-25.4 3.775,-25.2 3.775,-22.75 3.3,-22.275 3.3,-18.825
  L2 w0.1: v1(-20.825,-27.125) -20.55,-27.4 -20.55,-31.725 -20.05,-32.225 v1(-18.75,-32.225) ; v1(-13.711,-32.946) -10.988,-32.946 ccw(c-10.988,-32.846) -10.917,-32.917 -10.025,-32.025 -10.025,-31.1 -7.125,-28.2 -7.125,-25.75 -5.25,-23.875 -5.25,-20.9 -4.325,-19.975 -4.325,-19.05 v1(-2.4,-17.125) ; v1(4.75,-61.7) 5.675,-61.7 6.15,-62.175 9.575,-62.175 10.275,-62.875 23.425,-62.875 25.125,-61.175 25.125,-58.267 25.225,-58.167 25.225,-37.101 25.9,-36.426 25.9,-29.933 25.017,-29.05 19.076,-29.05 18.354,-28.328 cw(c18.425,-28.257) 18.325,-28.257 18.325,-25.932 ccw(c18.225,-25.932) 18.296,-25.861 17.134,-24.7 16.459,-24.7 14.611,-22.852 v1@13.079,-22.852
CRESET_B_F: R33F.2 U11F.M6 | length 6.1
  L1 w0.1: U11F.M6@7.7,-52.3 7.3,-52.7 7.3,-56.5 8.175,-57.375 R33F.2@8.175,-57.825
CTR_NOISE0: C15R.2 R17R.1 R18R.2 U12R.1 | length 6.2
  L1 w0.15: U12R.1@-11.05,-34.575 -11.05,-34.35 -10.675,-33.975 -10.675,-33.5 -9.975,-33.5 -9.5,-33.975 -9.5,-35.56 -9.9,-35.96 R17R.1@-9.9,-36 -9.7,-36.2 -9.7,-36.26 -9,-36.96 C15R.2@-9,-37
CTR_NOISE1: C10R.2 R12R.1 R13R.2 U10R.1 | length 6.1
  L1 w0.15: U10R.1@-11.05,-38.975 -11.05,-38.75 -10.675,-38.375 -10.675,-37.9 -9.95,-37.9 -9.5,-38.35 -9.5,-39.86 -9.9,-40.26 R12R.1@-9.9,-40.3 -9.7,-40.5 -9.7,-40.56 -9,-41.26 C10R.2@-9,-41.3
DAC_REF: C21U.1 C22U.1 U11U.A4 | length 2.7
  L1 w0.15: U11U.A4@-9.9,-49.6 -9.55,-49.6 -9.175,-49.975 -8.95,-49.975 -8.95,-50 -8.3,-50.65 -8.3,-50.85 C21U.1@-7.975,-51.175
EXTCOMMIN: P12W.7 U11K.45 | length 18.1
  L2 w0.1: v1(0.75,-26.075) 0.75,-25.641 cw(c0.85,-25.641) 0.779,-25.571 2.321,-24.029 ccw(c2.25,-23.959) 2.35,-23.959 2.35,-17.592 3.342,-16.6 6.6,-16.6 7.1,-16.1 7.85,-16.1 8.227,-15.723 8.227,-14.198 8.53,-13.895 v1(8.53,-13.498)
F_UART_RX: P12F.2 U11F.V7 | length 17.2
  L1 w0.1: P12F.2@5.75,-61.4 5.75,-61.85 6.075,-62.175 6.475,-62.175 7.625,-61.025 8.325,-61.025 8.95,-60.4 8.95,-60 9.265,-59.685 9.265,-59.29 8.775,-58.8 8.775,-57.35 8.9,-57.225 8.9,-53.65 9.05,-53.5 9.55,-53.5 9.7,-53.35 9.7,-52.9 9.9,-52.7 10.3,-52.7 10.5,-52.5 10.5,-52.198 10.798,-51.9 11.125,-51.9 11.3,-51.725 11.3,-51.3 11.5,-51.1 12.1,-51.1 U11F.V7@12.5,-51.5
F_UART_TX: P12F.3 U11F.V6 | length 19.4
  L1 w0.1: P12F.3@5.25,-61.4 5.25,-61.975 5.75,-62.475 6.775,-62.475 7.975,-61.275 10.1,-61.275 10.975,-60.4 10.975,-58.425 11.35,-58.05 11.35,-57.6 11.075,-57.325 10.5,-57.325 9.7,-56.525 9.7,-53.798 9.953,-53.545 9.955,-53.545 10,-53.5 10.276,-53.5 10.5,-53.276 10.5,-52.9 10.7,-52.7 11.175,-52.7 11.3,-52.575 11.3,-52.175 11.575,-51.9 12.1,-51.9 U11F.V6@12.5,-52.3
  other v1: 5.25,-61.1
FPGA_DIS: Q14F.1 Q15F.1 R23F.2 U11K.21 | length 69.7
  L1 w0.1: v1(15.925,-60.775) 16.596,-60.775 16.67,-60.701 Q15F.1@16.67,-60.65
  L2 w0.1: v1(8.35,-60.075) 9.8,-60.075 10.6,-60.875 13.675,-60.875 14.025,-61.225 15.475,-61.225 v1(15.925,-60.775) 16.8,-61.65 17.175,-61.65 17.31,-61.785 ccw(c17.381,-61.714) 17.381,-61.814 22.348,-61.814 ccw(c22.348,-61.714) 22.419,-61.785 23.001,-61.203 23.001,-59.524 24.901,-57.624 ccw(c24.83,-57.553) 24.93,-57.553 24.93,-54.064 24.93,-37.095 25.675,-36.35 25.675,-30.79 24.835,-29.95 23.45,-29.95 22.85,-29.35 18.975,-29.35 18.07,-28.445 cw(c18.141,-28.375) 18.041,-28.375 18.041,-26.05 ccw(c17.941,-26.05) 18.012,-25.979 17.017,-24.984 16.342,-24.984 15.194,-23.836 13.136,-23.836 10.675,-21.375 10.675,-21.002 11.025,-20.652 v1(11.025,-20.425)
FPGA_SYS_ON: Q11F.1 R14F.2 U11F.A5 | length 17.3
  L1 w0.1: Q11F.1@-11.93,-60.85 -11.93,-61.67 R14F.2@-11.925,-61.675 ; v1(-1.775,-53.1) U11F.A5@-1.1,-53.1
  L2 w0.1: v1(-11.92,-61.665) -11.92,-59.87 -9.95,-57.9 -9.3,-57.9 -9,-58.2 -8.1,-58.2 -7.9,-58 -7.9,-57.15 -7.675,-56.925 -5.65,-56.925 -3.125,-54.4 -2.875,-54.4 -2.534,-54.4 -1.775,-53.641 v1(-1.775,-53.1)
GG_BIN: R20P.1 U11P.B1 | length 1.1
  L1 w0.15: U11P.B1@-17.6,-18.1 R20P.1@-16.525,-18.1